# KiCad board Mainboard.kicad_pcb (continued)
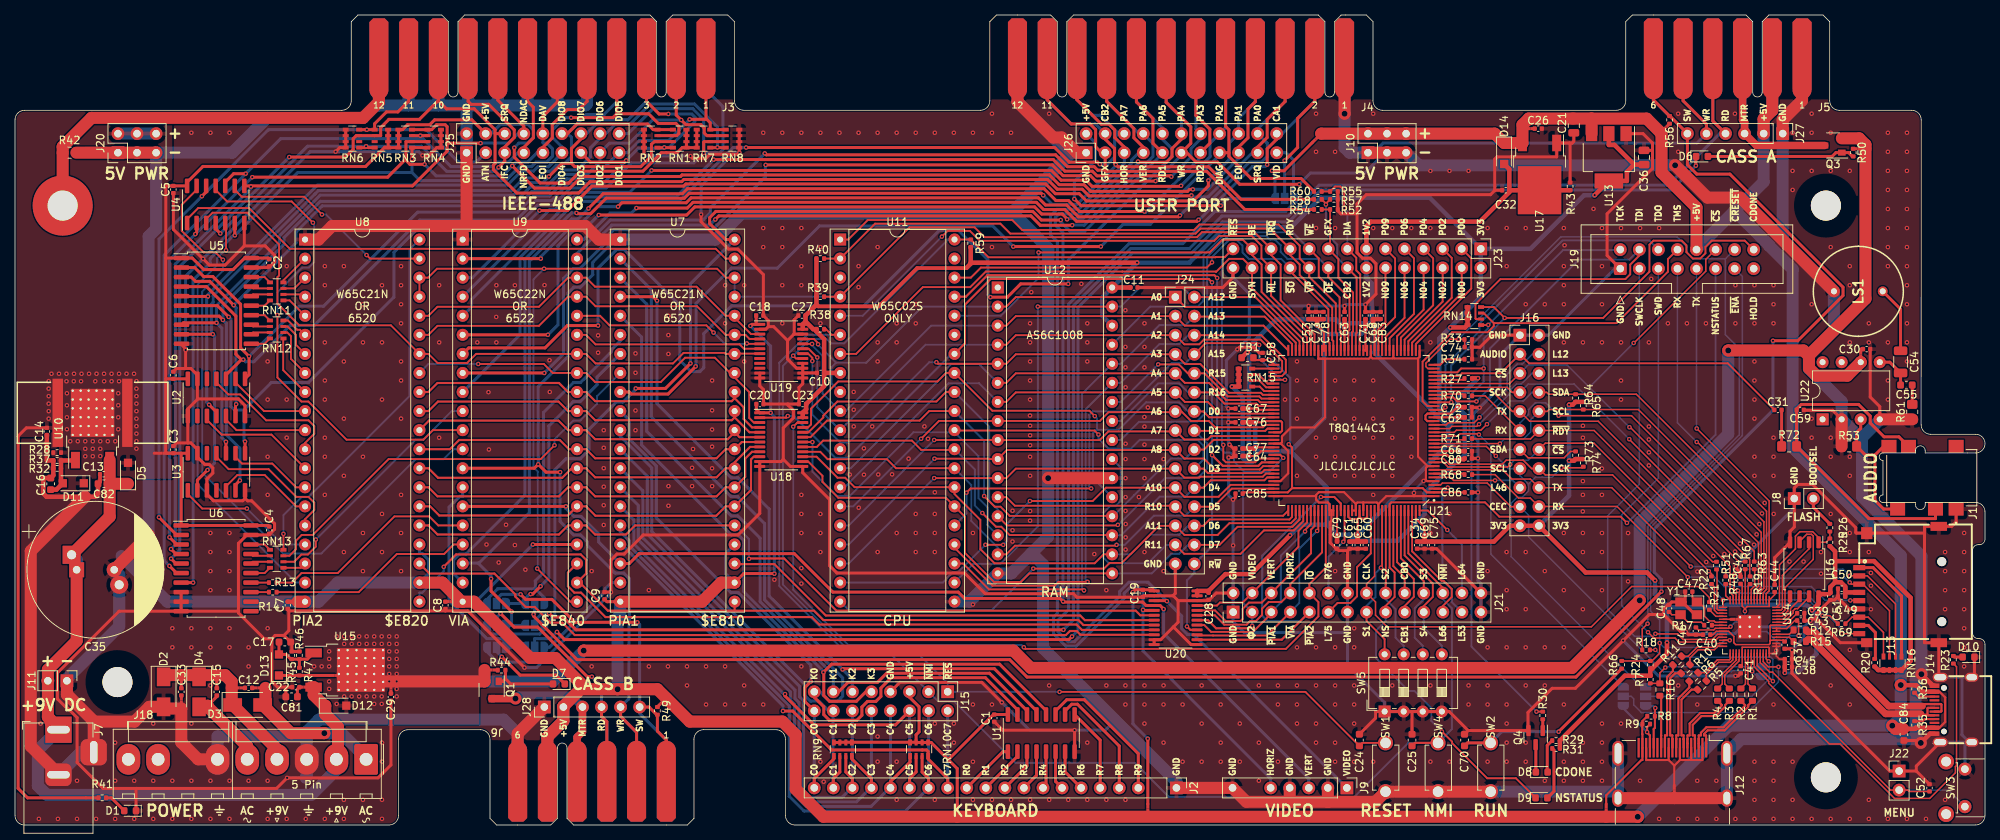
[diagram p0: board, top side]
## Nets (continued)
/MAGIC/MCU/DVI/DVI_D0-: R6.1 U14.29
/MAGIC/MCU/DVI/DVI_D1+: R3.1 U14.32
/MAGIC/MCU/DVI/DVI_D1-: R4.1 U14.31
/MAGIC/MCU/DVI/DVI_D2+: R1.1 U14.35
/MAGIC/MCU/DVI/DVI_D2-: R2.1 U14.34
/MAGIC/MCU/DVI/HDMI_CEC: J12.13 R16.2
/MAGIC/MCU/DVI/HDMI_CK+: J12.10 R10.2
/MAGIC/MCU/DVI/HDMI_CK-: J12.12 R11.2
/MAGIC/MCU/DVI/HDMI_D0+: J12.7 R5.2
/MAGIC/MCU/DVI/HDMI_D0-: J12.9 R6.2
/MAGIC/MCU/DVI/HDMI_D1+: J12.4 R3.2
/MAGIC/MCU/DVI/HDMI_D1-: J12.6 R4.2
/MAGIC/MCU/DVI/HDMI_D2+: J12.1 R1.2
/MAGIC/MCU/DVI/HDMI_D2-: J12.3 R2.2
/MAGIC/MCU/DVI/SCL: J12.15 JP9.3 R8.2
/MAGIC/MCU/DVI/SDA: J12.16 JP8.3 R9.2
/MAGIC/MCU/Flash/SCK: U14.52 U16.6
/MAGIC/MCU/Flash/SD0: U14.53 U16.5
/MAGIC/MCU/Flash/SD1: U14.55 U16.2
/MAGIC/MCU/Flash/SD2: U14.54 U16.3
/MAGIC/MCU/Flash/SD3: U14.51 U16.7
/MAGIC/MCU/Flash/~{CS}: R25.2 R26.2 U14.56 U16.1
/MAGIC/MCU/GP25: R23.1 U14.37
/MAGIC/MCU/GP27: C52.1 J22.2 SW3.2 U14.39
/MAGIC/MCU/MCU_FPGA_CLK: R21.2 U14.18
/MAGIC/MCU/MCU_I2C0_SCL: JP9.2 U14.41
/MAGIC/MCU/MCU_I2C0_SDA: JP8.2 U14.40
/MAGIC/MCU/MCU_SPI0_SCK: R19.2 U14.8
/MAGIC/MCU/MCU_SPI0_TX: R67.2 U14.9
/MAGIC/MCU/MCU_SPI0_~{CS}: R63.2 U14.7
/MAGIC/MCU/MCU_SPI1_SCK: R22.2 U14.17
/MAGIC/MCU/MCU_SPI1_TX: R48.2 U14.14
/MAGIC/MCU/MCU_SPI1_~{CS}: R51.2 U14.16
/MAGIC/MCU/MCU_TESTEN: PT2.2 U14.19
/MAGIC/MCU/MCU_USB_D+: R12.1 U14.47
/MAGIC/MCU/MCU_USB_D-: R15.1 U14.46
/MAGIC/MCU/MCU_~{CRESET}: R18.1 U14.38
/MAGIC/MCU/SD_DETECT: J13.9 U14.11
/MAGIC/MCU/SD_~{CS}: J13.2 RN16.2 U14.12
/MAGIC/MCU/USB/CC1: J14.A5 R35.2
/MAGIC/MCU/USB/CC2: J14.B5 R36.2
/MAGIC/MCU/USB/USB_D+: J14.A6 J14.B6 R12.2
/MAGIC/MCU/USB/USB_D-: J14.A7 J14.B7 R15.2
/MAGIC/MCU/XIN: C47.2 U14.20 Y1.1
/MAGIC/MCU/XOUT: R17.2 U14.21
/MAGIC/PHI2: J21.3 U11.37 U20.18 U21.97
/MAGIC/R~{W}: J24.30 U11.34 U18.2 U20.16 U21.99
/MAGIC/VERT: J21.6 U20.20 U21.116
/MAGIC/VIDEO: J21.4 U20.21 U21.114
/MAGIC/~{IO_OE}: J21.10 U18.22 U21.119
/MAGIC/~{PIA1_CS}: J21.5 U20.17 U21.115
/MAGIC/~{PIA2_CS}: J21.9 U20.14 U21.123
/MAGIC/~{VIA_CS}: J21.7 U20.15 U21.117
/POWER/VAC1: D3.2 J18.1 PT28.1
/POWER/VAC2: D4.2 J18.5 PT29.1
/USER/VIDEO_OR_5V: J4.2 JP10.2
CHASSIS_GND: H1.1 J3.12 R42.1
FPGA_VCCA: C58.1 C85.1 C86.1 FB1.1 U21.2 U21.73 U21.107
MCU_IOVDD: C38.1 C41.1 C42.1 C43.1 C44.1 C45.1 C46.1 PT1.2 U14.1 U14.10 U14.22 U14.33 U14.42 U14.43 U14.44 U14.48 U14.49
Net-(C8-Pad1): C8.1 PT56.2
Net-(C9-Pad1): C9.1 PT55.2
Net-(C12-Pad1): C12.1 PT28.2
Net-(C12-Pad2): C12.2 PT32.2
Net-(C15-Pad1): C15.1 PT30.2
Net-(C15-Pad2): C15.2 PT29.2
Net-(C16-Pad1): C16.1 D11.2 R28.2 R32.1 R37.1 U10.1
Net-(C17-Pad1): C17.1 D13.2 R45.1 R46.1 R47.2 U15.1
Net-(C18-Pad1): C18.1 C20.1 PT12.2 U18.1 U19.1
Net-(C19-Pad1): C19.1 PT13.2 U20.1
Net-(C22-Pad1): C22.1 C81.1 PT24.2
Net-(C26-Pad1): C26.1 PT14.2
Net-(C29-Pad1): C29.1 PT25.2
Net-(C30-Pad1): C30.1 PT35.2
Net-(C31-Pad2): C31.2 R72.1
Net-(C33-Pad1): C33.1 PT27.2
Net-(C33-Pad2): C33.2 PT31.2
Net-(C48-Pad2): C48.2 R17.1 Y1.3
Net-(C54-Pad1): C54.1 C55.1 U22.5
Net-(C54-Pad2): C54.2 LS1.1
Net-(C55-Pad2): C55.2 R61.1
Net-(C59-Pad1): C59.1 J1.2 J1.3 R72.2
Net-(C70-Pad1): C70.1 R66.1 SW2.2
Net-(D1-Pad2): D1.2 R41.2
Net-(D6-Pad1): D6.1 JP5.2
Net-(D6-Pad2): D6.2 Q3.1 R50.2
Net-(D7-Pad1): D7.1 JP6.2
Net-(D7-Pad2): D7.2 Q1.1 R44.2
Net-(D8-Pad1): D8.1 Q4.3
Net-(D8-Pad2): D8.2 R29.1
Net-(D9-Pad2): D9.2 R31.1
Net-(D10-Pad2): D10.2 R23.2
Net-(D13-Pad1): D13.1 PT23.2 R47.1
Net-(J1-Pad5): J1.5 J1.6 R53.1 U22.3
Net-(J8-Pad2): J8.2 R26.1
Net-(J13-Pad1): J13.1 RN16.1
Net-(J13-Pad7): J13.7 R69.1 RN16.4
Net-(J13-Pad8): J13.8 R20.2
Net-(PT4-Pad2): PT4.2 R41.1
Net-(PT6-Pad2): PT6.2 U7.24
Net-(PT7-Pad2): PT7.2 U9.24
Net-(PT8-Pad2): PT8.2 U8.24
Net-(PT15-Pad2): PT15.2 R56.1
Net-(PT16-Pad2): PT16.2 R49.1
Net-(PT21-Pad2): PT21.2 R50.1
Net-(PT22-Pad2): PT22.2 R44.1
Net-(Q4-Pad1): Q4.1 R30.1
Net-(R13-Pad1): R13.1 U6.14
Net-(R14-Pad1): R14.1 U6.13
Net-(RN11-Pad1): RN11.1 U5.18
Net-(RN11-Pad2): RN11.2 U5.17
Net-(RN11-Pad3): RN11.3 U5.16
Net-(RN11-Pad4): RN11.4 U5.15
Net-(RN12-Pad1): RN12.1 U5.14
Net-(RN12-Pad2): RN12.2 U5.13
Net-(RN12-Pad3): RN12.3 U5.12
Net-(RN12-Pad4): RN12.4 U5.11
Net-(RN13-Pad1): RN13.1 U6.18
Net-(RN13-Pad2): RN13.2 U6.17
Net-(RN13-Pad3): RN13.3 U6.16
Net-(RN13-Pad4): RN13.4 U6.15

Pads without a net: J1 4; J12 14 19; J14 A8 B8; J18 8 9; RN5 3; RN6 6; U2 2 12; U3 4 12; U6 11 12; U11 3 35 39; U12 1; U19 8 9 10; U22 1 7 8

## Via types
v1: diameter 0.6, hole 0.3, Top to Bottom, 1029 vias
v2: diameter 1.6, hole 0.8, Top to Bottom, 15 vias

## Routing (per net, layer and track width the routed paths; a pad name or vN(x,y) marks a point on that pad's centre or on a via; arc(x,y) is an arc through that point)
+1V2: length 131.5
  Top w0.6: C83.1 C68.1 180.95,66.76 PT43.1 ; C32.1 U17.2 R43.1 ; C32.1 199.12,87.4 D14.2 ; C32.1 199.12,84.34 195.19,80.41 180.68,80.41 180.07,79.81 J23.13 ; C67.1 163.59,55.5 PT45.1 ; C60.1 C65.1 ; C65.1 PT47.1 ; C65.1 C61.1 ; PT42.1 C62.1 ; PT46.1 C64.1 ; PT41.1 C66.1 ; FB1.2 164.14,62.97 v1(164.23,62.97) ; C63.1 PT44.1
  Bottom w0.6: 190.97,50.64 190.97,53.11 ; 190.97,50.64 190.85,50.64 PT47.1 ; 190.97,50.64 191.5,50.64 192.39,49.75 ; 190.97,53.11 PT42.1 ; 190.97,53.11 190.03,54.06 189.94,54.06 189,55 189,55.09 181.16,62.92 PT43.1 180.84,66.88 180.77,66.88 ; 180.77,66.88 180.77,72.2 180.07,72.89 J23.13 ; 180.77,66.88 177.8,66.88 PT44.1 176.02,67.38 168.05,67.38 164.23,63.56 v1(164.23,62.97) 164.44,62.76 PT45.1 164.39,55.45 164.39,49.24 PT46.1
+3V3: length 499.5
  Top w0.401: 104.96,66.13 U19.23 ; 104.96,54.34 U18.23 ; 157.51,30.6 U20.23
  Top w0.5: 126.81,74.27 126.76,74.22 120.2,74.22 115.1,69.12 107.02,69.12 106.9,69.23
  Top w0.561: C51.1 241.7,30.77 241.15,30.77
  Top w0.6: C77.1 165.11,50.17 PT52.1 ; RN15.5 RN15.6 RN15.7 RN15.8 v1(162.15,58.43) ; 215.76,88.01 214.78,87.04 214.78,85.84 U13.2 212.38,85.83 v1(210.49,83.94) ; 215.76,88.01 C36.1 ; 215.76,88.01 213.13,90.63 212.38,90.63 U13.2 ; 104.96,66.13 U19.24 105.34,67.1 ; C76.1 163.6,53.67 PT51.1 ; C80.1 193.07,48.75 PT40.1 ; C34.1 C69.1 ; C69.1 PT54.1 ; C69.1 C75.1 197.07,37.78 199.17,39.88 J16.21 J16.22 209.29,33.65 217.47,33.65 v1(218.54,32.58) ; 243.87,31 J13.4 ; 243.87,31 C49.1 ; 243.87,31 C50.1 243.87,31.78 243.3,32.35 242.52,32.35 ; v1(149.52,74.95) 149.5,74.93 127.35,74.93 ; v1(191.26,66.31) 193.23,66.31 RN14.8 RN14.7 RN14.6 RN14.5 ; C71.1 179.95,67.42 PT49.1 ; 242.52,32.35 241.88,31.71 C51.1 ; 242.52,32.35 242.52,35.17 ; 105.34,67.1 105.34,67.9 106.79,69.35 ; 105.34,67.1 106.37,66.07 R38.1 106.79,66.07 106.79,65.78 107.82,64.74 C10.1 ; 242.52,35.17 242.52,36.47 R25.1 ; 242.52,35.17 247.71,35.17 252.59,30.29 252.59,21.86 RN16.8 RN16.7 RN16.6 RN16.5 248.27,20.65 R20.1 ; 159.05,31.2 U20.24 157.51,30.6 ; 159.05,31.2 161.29,33.44 164.72,33.44 v1(169.89,38.62) ; 159.05,31.2 C28.1 ; C73.1 173.51,67.26 PT50.1 ; C73.1 C78.1 ; C73.1 C53.1 ; C10.1 U11.8 ; C10.1 107.82,58.5 C23.1 105.42,55.4 105.1,55.08 U18.24 104.96,54.34 ; v1(207.08,56.01) 207.57,56.01 R64.1 R65.1 ; R40.2 R39.1 106.79,70.4 106.79,69.35 ; 106.79,69.35 106.9,69.23 ; U12.32 148.62,71.63 C11.1 ; R27.2 194.2,59.55 v1(194.94,59.55) ; 127.35,74.93 127.35,77.01 R59.1 ; 127.35,74.93 127.35,74.81 126.81,74.27 ; C79.1 PT53.1 ; R31.2 R29.2 214.5,19.89 R7.1 R24.1 218.14,20.84 220.13,22.83 v1(220.13,24.32) ; R74.1 R73.1 207.73,48.55 v1(207.08,48.55) ; v1(239.44,28.62) 240.33,29.5 U16.8 240.63,30.77 241.15,30.77 ; C72.1 PT48.1
  Bottom w0.6: 169.96,49.79 174.82,44.94 174.82,40.02 ; 169.96,49.79 174.44,54.27 174.44,65.44 ; 169.96,49.79 165.27,49.79 ; PT48.1 193.18,54.7 193.18,51.25 193.19,51.24 193.19,49.35 192.59,48.75 PT40.1 187.83,44.21 187.83,41.46 186.45,40.08 ; PT48.1 192.19,56.8 v1(194.94,59.55) ; PT48.1 191.36,54.86 190.27,54.86 189.8,55.33 189.8,64.85 v1(191.26,66.31) 195.31,70.37 J23.1 ; 220.13,29.2 218.54,30.79 v1(218.54,32.58) ; 220.13,29.2 220.32,29.01 227.74,29.01 228.06,29.33 238.73,29.33 v1(239.44,28.62) 240.03,28.03 240.03,22.8 PT1.1 ; 220.13,29.2 v1(220.13,24.32) ; 174.44,65.44 179.37,65.44 PT49.1 ; 174.44,65.44 174.44,65.64 PT50.1 ; PT51.1 165.27,53.64 PT52.1 165.27,49.79 ; v1(169.89,38.62) 171.3,40.02 174.82,40.02 ; v1(207.08,56.01) v1(207.08,48.55) 207.08,43.89 J16.22 ; 186.45,40.08 PT54.1 ; 186.45,40.08 184.26,37.89 178.59,37.89 177.78,38.7 PT53.1 174.84,40.02 174.82,40.02 ; v1(210.49,83.94) 210.48,83.93 209.08,83.93 201.93,76.78 J23.1 ; J23.1 188.49,83.61 173.99,83.61 170.03,79.65 161.19,79.65 156.49,74.95 v1(149.52,74.95) 149.51,74.95 U12.32 144.88,70.32 144.88,67.86 U12.30 ; v1(162.15,58.43) 162.17,58.43 163.58,57.01 163.58,48.91 164.12,48.37 164.81,48.37 165.27,48.82 165.27,49.79
+5V: length 746.4
  Top w0.3: J14.A9_B4 256.43,17.76 257.2,17 257.2,13.73 256.43,12.96 J14.A4_B9
  Top w0.4: 22.14,49.55 C3.1 PT5.2 20.09,49.71 20.09,59.49 ; 22.14,49.55 U6.1 U6.20 33.72,39.92 C4.1 ; 22.14,49.55 U3.14 ; RN5.5 RN5.6 49.72,92.67 ; RN5.5 RN3.8 RN3.7 51.1,92.67 51.64,92.67 52.29,93.32 55.26,93.32 55.91,93.98 60.88,93.98 J25.4 ; RN5.5 49.32,90.27 49.27,90.32 46.72,87.77 25.04,87.77 22.93,85.66 22.93,85.17 U4.14 20.09,85.17 20.09,75.59 ; C2.1 33.72,75.56 U5.20 30.6,75.56 29.06,74.02 25.16,74.02 23.62,75.56 U5.1 20.12,75.56 20.09,75.59 ; RN1.5 RN7.8 RN7.7 90.84,92.67 ; RN1.5 RN1.6 89.47,92.67 ; RN1.5 88.91,90.27 88.23,89.6 86.81,89.6 86.81,89.59 86.13,89.59 83.67,87.14 75.36,87.14 73.77,85.56 69.98,85.56 66.53,89.01 v1(66.53,90.26) ; 20.09,59.49 20.12,59.46 C6.1 U2.14 ; 20.09,59.49 20.09,75.59 ; PT4.1 1.68,3.62 0.42,4.88 0.42,51.83 1.52,52.93 C14.1 ; PT19.2 R35.1
  Top w0.561: 37.66,29.76 36.35,29.76 C7.1
  Top w0.6: J14.A4_B9 253.28,12.96 R35.1 ; C84.1 PT19.2 ; PT20.1 251.28,18.64 R36.1 253.32,18.64 254.2,17.76 J14.A9_B4
  Top w0.902: 251.59,12.81 C84.1
  Top w1.6: U7.20 91.55,29.76 94.09,32.3 U7.22 PT12.1 ; v2(250.15,13.24) 250.57,12.81 PT19.1 251.59,12.81 ; 75.35,18.09 73.07,15.82 J28.2 73.07,13.87 70.94,11.74 J6.2,B ; 75.35,18.09 v2(80.3,18.09) 85.6,18.09 PT16.1 89.91,13.78 102.27,13.78 104.03,12.02 104.03,4.79 107.72,1.1 PT17.1 PT18.1 216.22,1.1 v2(216.23,1.09) ; 75.35,18.09 75.35,18.92 72.01,22.25 71.68,22.25 71.68,22.25 71.28,22.25 71.28,22.26 68.66,22.26 61.15,29.76 U9.20 PT56.1 58.97,30.28 56.95,32.3 U8.22 ; v2(251.28,18.65) 251.27,18.65 PT20.1 ; J5.2,B 234.16,95.26 233,94.1 J27.2 ; U8.20 37.66,29.76 ; 210.08,94.14 217.42,94.14 219.27,92.28 PT15.1 219.4,92.13 219.4,86.96 224.06,82.3 J19.10 ; 210.08,94.14 210.07,94.15 207.53,94.15 ; 210.08,94.14 U13.3 ; C21.1 201.7,94.15 200.87,93.31 U17.3 D14.1 197.18,92.14 J10.6 J10.4 J10.2 174.06,92.14 PT26.1
  Bottom w0.4: J25.4 63.45,92.14 64.71,93.4 68.31,93.4 69.08,92.62 69.08,91.65 68.32,90.89 67.15,90.89 v1(66.53,90.26)
  Bottom w1.6: J5.2,B 234.16,95.26 233,94.1 J27.2 233,85.71 229.14,81.85 ; 229.14,81.85 224.06,76.77 J19.10 ; 229.14,81.85 233.74,77.25 233.74,77.19 236.87,74.06 236.87,50.3 251.28,35.9 v2(251.28,18.65) 251.28,14.37 v2(250.15,13.24) 228.38,13.24 v2(216.23,1.09) ; 14.21,35.85 20.29,29.76 U8.20 40.45,29.76 42.99,32.3 U8.22 ; J28.2 73.07,13.87 70.94,11.74 J6.2,B ; J20.6 J20.4 J20.2 ; v2(80.3,18.09) 80.3,27.61 80.65,27.96 U7.20
  vias: v1(4.49,59.15) v1(4.49,58.15) v1(4.49,57.15) v1(4.49,56.15) v1(4.49,55.15) v1(4.49,54.15) v1(4.86,60.14) v1(5.86,60.14) v1(6.86,60.14) v1(6.86,59.14) v1(6.91,57.54) v1(6.91,55.94) v1(6.91,54.34) v1(6.91,52.74) v1(7.36,51.14) v1(7.83,59.14) v1(7.86,60.14) v1(8.36,51.14) v1(8.8,59.14) v1(8.86,60.14) v1(9.36,51.14) v1(9.36,50.14) v1(9.36,49.14) v1(9.86,60.14) v1(10.36,51.14) v1(10.36,50.14) v1(10.36,49.14) v1(10.7,59.14) v1(10.86,60.14) v1(11.36,51.14) v1(11.36,50.14) v1(11.36,49.16) v1(11.86,60.14) v1(11.88,59.14) v1(12.36,51.14) v1(12.86,60.14) v1(12.87,59.14) v1(13.36,51.14) v1(13.75,57.54) v1(13.75,55.94) v1(13.75,54.34) v1(13.75,52.74) v1(13.86,60.14) v1(13.86,59.14) v1(14.86,60.14) v1(15.86,60.14) v1(16.18,59.15) v1(16.18,58.15) v1(16.18,57.15) v1(16.18,56.15) v1(16.18,55.15) v1(16.18,54.15) v1(16.18,53.15) v1(16.18,52.15) v1(16.18,51.15) v1(16.18,50.15)
+6V: length 284.3
  Top w1.6: U22.6 245.94,61.67 244.14,59.88 240.04,59.88 239.05,60.87 239.05,62.5 ; PT22.1 62.56,19.14 Q1.2 47.61,19.14 U15.2 ; v2(75.78,23.24) 133.03,23.24 135.33,20.94 207.48,20.94 v2(216.49,29.94) ; 239.05,62.5 239.05,62.6 246.57,70.13 PT21.1 246.57,90.67 245.73,91.51 Q3.2 ; 239.05,62.5 238.31,63.24 v2(228.29,63.24)
  Bottom w1.6: v2(75.78,23.24) 71.67,19.14 v1(50.86,19.14) ; v2(216.49,29.94) 216.49,40.3 228.29,52.1 v2(228.29,63.24)
  vias: v1(39.86,21.14) v1(40.86,21.14) v1(41.86,23.14) v1(41.86,22.14) v1(41.86,21.14) v1(41.86,19.14) v1(41.86,18.14) v1(42.86,25.14) v1(42.86,16.14) v1(43.86,25.14) v1(43.86,24.14) v1(43.86,17.14) v1(44.86,25.14) v1(44.86,24.14) v1(44.86,17.14) v1(45.86,25.14) v1(45.86,24.14) v1(45.86,17.14) v1(46.86,25.14) v1(46.86,24.14) v1(46.86,17.14) v1(47.86,25.14) v1(47.86,24.14) v1(47.86,17.14) v1(47.86,16.14) v1(48.86,25.14) v1(48.86,24.14) v1(48.86,17.14) v1(48.86,16.14) v1(49.86,25.14) v1(49.86,24.14) v1(49.86,23.14) v1(49.86,22.14) v1(49.86,21.14) v1(49.86,20.14) v1(49.86,19.14) v1(50.86,25.14) v1(50.86,24.14) v1(50.86,23.14) v1(50.86,22.14) v1(50.86,21.14) v1(50.86,20.14) v1(50.86,18.14) v1(50.86,17.14)
+9V_Unreg: length 106
  Top w1.6: C35.1 12.62,41.09 U10.3 ; D5.1 12.61,45.47 ; C35.1 8.21,24.54 4.38,20.7 J11.2 4.38,14.39 4.72,14.05 4.72,13.77 J7.1 ; J18.2 43.03,8.96 43.03,13.05 41.34,14.74 D12.1 41.22,15.9 39.79,17.33 U15.3 PT24.1
  Bottom w1.6: C35.1 8.21,35.34 C35.1 ; J7.1 3.04,9.95 3.04,5.23 4.26,4.01 39.48,4.01 42.83,7.36 J18.2
/Keyboard/VCC: length 40.7
  Top w0.4: U1.16 C1.1 130.37,14.72 124.41,8.76 124.31,8.76 ; 111.51,11.03 110.71,11.03 ; 111.51,11.03 RN9.5 ; 111.51,11.03 119.27,11.03 ; 110.71,11.03 RN9.6 ; 110.71,11.03 109.91,11.03 RN9.7 RN9.8 ; J15.5 119.2,17.02 120.47,15.75 120.47,12.42 120.07,12.02 RN10.7 ; RN10.7 RN10.6 RN10.5 122.07,11 124.31,8.76 ; RN10.7 120.07,11.03 119.27,11.03 ; 124.31,8.76 125.55,7.52 PT17.2 ; 119.27,11.03 RN10.8
/MAGIC/FPGA/VCC_13: length 2.4
  Top w0.28: U21.13 PT41.2
/MAGIC/FPGA/VCC_22: length 2.2
  Top w0.28: U21.22 PT42.2
/MAGIC/FPGA/VCC_49: length 2.4
  Top w0.28: PT43.2 U21.49
/MAGIC/FPGA/VCC_57: length 2
  Top w0.28: U21.57 PT44.2
/MAGIC/FPGA/VCC_85: length 2.4
  Top w0.28: PT45.2 165.56,55.33 167.74,55.33
/MAGIC/FPGA/VCC_96: length 2.6
  Top w0.28: PT46.2 166.06,49.83 167.74,49.83
/MAGIC/FPGA/VCC_125: length 6.6
  Top w0.28: U21.128 179.16,41.05 179.17,41.04 ; PT47.2 178.91,40.79 ; 178.91,40.79 177.94,40.79 177.66,41.06 U21.125 ; 178.91,40.79 179.17,41.04 ; 179.17,41.04 179.38,40.83 179.95,40.83 180.16,41.05 U21.130
/MAGIC/FPGA/VCCIO_12: length 2.6
  Top w0.28: U21.12 190.83,49.33 191.41,48.75
/MAGIC/FPGA/VCCIO_23: length 5.5
  Top w0.28: PT48.2 191.33,54.83 U21.23 188.2,54.83 187.95,54.57 187.95,54.08 188.2,53.83 U21.21
/MAGIC/FPGA/VCCIO_52: length 2.3
  Top w0.28: U21.52 179.95,63.25 ; 179.95,63.25 PT49.2 ; 179.95,63.25 U21.51
/MAGIC/FPGA/VCCIO_62: length 3.2
  Top w0.28: 174.42,63.25 U21.63 ; 174.42,63.25 174.42,65.66 PT50.2 ; 174.42,63.25 U21.62
/MAGIC/FPGA/VCCIO_88: length 5.1
  Top w0.28: PT51.2 166.35,53.83 168.66,53.83 168.84,53.65 168.84,52.55 168.62,52.33 167.74,52.33
/MAGIC/FPGA/VCCIO_95: length 1.5
  Top w0.28: 167.74,50.33 PT52.2
/MAGIC/FPGA/VCCIO_122: length 2.3
  Top w0.28: U21.122 PT53.2
/MAGIC/FPGA/VCCIO_143: length 2.7
  Top w0.28: PT54.2 186.66,40.82 U21.143
/MAGIC/MCU/DVDD: length 18.1
  Top w0.2: C40.1 226.25,25.36 226.7,25.81 U14.23 228.34,25.81 229.04,25.12 229.04,24.29 229.29,24.04 233.73,24.04 233.87,24.18 233.87,24.54 ; 233.87,24.54 233.87,26.54 233.95,26.61 U14.50 235.86,26.61 C39.1 ; 233.87,24.54 233.87,24.54 233.94,24.61 U14.45 235.55,24.61 235.55,24.61 235.64,24.61 C37.1
/MAGIC/MCU/DVI/VCC: length 14.1
  Top w0.28: R8.1 216.85,13.85 R9.1 216.83,13.43 216.83,12.12 216.85,12.1 J12.18 216.85,8.66 216.73,8.66 212.02,3.96 PT18.2
/POWER/9V_UNFILT: length 22.6
  Top w1.6: D2.1 20.03,19.97 PT31.1 24.3,19.97 D4.1 24.75,19.97 PT30.1 27.99,19.97 28.88,19.09 PT32.1 28.88,16.12 D3.1 34.91,10.09 J18.4
/USER/VCC: length 48.7
  Top w0.4: v1(160.66,82.54) 142.06,82.54 141.17,83.42 v1(141.16,83.42) ; v1(167.49,87.19) 169.11,87.19 PT26.2
  Bottom w0.4: v1(167.49,87.19) 167.88,86.8 JP10.3 161.62,83.5 v1(160.66,82.54) ; J26.2 143.97,90.89 143.97,88.58 141.16,85.77 v1(141.16,83.42)
GND: length 2215.5
  Top w0.28: 167.74,45.83 168.61,45.83 169.65,46.86 169.65,49.84 168.66,50.83 ; 168.66,50.83 168.82,50.98 168.82,51.78 170.02,52.98 173.18,52.98 174.56,54.36 174.56,62.14 173.66,62.14 ; 168.66,50.83 167.74,50.83 ; 186.95,62.17 187.16,62.38 U21.37 ; 186.95,62.17 186.95,49.1 188.22,47.83 ; 186.95,62.17 183.8,62.17 183.66,62.31 ; v1(187.7,45.85) 187.84,45.99 188,45.99 ; 183.66,62.31 183.53,62.17 180.89,62.17 180.66,62.4 ; 183.66,62.31 U21.44 ; U21.64 173.66,62.14 ; 173.66,62.14 180.41,62.14 180.66,62.4 ; J12.11 220.35,8.66 ; 220.35,8.66 217.35,8.66 J12.17 ; 220.35,8.66 221.1,7.91 ; U21.126 U21.127 178.66,42.78 ; 179.66,42.99 181.44,42.99 181.66,42.77 ; 179.66,42.99 U21.129 ; 179.66,42.99 178.87,42.99 178.66,42.78 ; U21.9 188.22,47.83 ; 188.22,47.83 188,47.61 188,45.99 ; 186.41,43.83 182.72,43.83 181.66,42.77 ; 186.41,43.83 v1(186.41,44.25) ; 186.41,43.83 U21.1 ; 223.35,8.66 224.85,8.66 J12.2 ; 223.35,8.66 J12.5 ; 223.35,8.66 221.85,8.66 ; J12.8 221.85,8.66 ; 221.85,8.66 221.1,7.91 ; 181.66,42.77 U21.133 ; 175.25,40.38 175.41,40.54 175.41,41.91 ; 180.66,62.4 U21.50 ; 188,45.99 188.16,45.83 U21.5 ; C34.2 C69.2 C75.2 ; 173.37,43.83 173.37,43.35 173.73,42.99 174.94,42.99 175.16,42.77 U21.120 175.41,41.91 ; 173.37,43.83 173.37,43.98 173.75,44.36 177.09,44.36 178.66,42.78 ; 173.37,43.83 167.74,43.83 ; 175.41,41.91 U21.121 ; PT37.2 221.1,7.91
  Top w0.4: 36.48,28.53 36.48,28.67 C7.2 ; 36.48,28.53 57.35,28.53 ; 36.48,28.53 36.48,25.91 35.84,25.27 ; v1(161.68,55.51) 162.62,55.51 C67.2 ; 162.3,74.24 162.3,72.99 160.93,71.63 C11.2 ; C63.2 v1(177.16,69.17) ; 162.43,50.17 162.43,49.17 ; 162.43,50.17 162.35,50.17 v1(161.84,50.69) ; 162.43,50.17 C77.2 ; 162.43,49.17 C64.2 ; 162.43,49.17 162.23,48.98 v1(161.72,48.98) ; U5.19 33.72,74.29 C2.2 33.99,74.45 34.59,75.04 34.59,75.93 33.34,77.17 30.55,77.17 ; U13.1 216.93,92.14 218.2,90.87 218.2,89.91 ; 57.35,28.53 60.32,28.53 v1(67.88,20.98) ; 57.35,28.53 C8.2 ; 102.37,48.74 102.37,52.91 103.73,54.27 103.73,55.23 103,55.96 103,56.1 ; 102.37,48.74 102.07,48.44 U18.11 U18.12 99.24,41.53 96.36,38.65 83.72,38.65 81.18,36.11 80.21,36.11 79.41,35.31 v1(79.41,31.04) C9.2 ; 102.37,48.74 103.32,47.79 U18.13 104.96,46.96 108.54,43.38 108.54,34.56 109.52,33.58 126.53,33.58 129.28,30.83 141.02,30.83 141.5,30.35 150.23,30.35 150.33,30.45 ; U19.15 104.16,60.87 102.94,62.09 102.94,64.56 ; U19.15 104.96,60.25 ; U19.15 U19.16 ; C70.2 193.15,12.09 193.64,12.59 ; U14.57 230.05,27.69 PT2.1 ; 154.98,29.9 154.98,27.03 154.36,26.4 ; 154.98,29.9 154.31,30.57 ; 154.98,29.9 U20.22 158.93,29.9 158.99,29.96 C28.2 159.16,30.02 160.06,30.91 J21.2 ; C75.2 189.43,36.82 J21.28 ; C29.2 50.09,8 48.37,6.28 v1(36.26,6.28) 34.85,4.87 16.13,4.87 ; 34.22,24.82 33.22,24.82 29.77,28.26 29.77,28.49 ; 34.22,24.82 34.66,25.27 35.84,25.27 ; 34.22,24.82 34.22,19.14 34.98,18.37 36.06,18.37 ; U19.22 103.82,65.42 ; 103.82,65.42 103.8,65.42 102.94,64.56 ; 103.82,65.42 103.82,67.34 C27.2 ; 218.2,89.91 218.2,87.5 212.15,81.45 212.15,75.9 J19.1 ; 218.2,89.91 C36.2 ; 35.84,25.27 C17.2 36.88,24.23 R45.2 R46.2 ; U14.57 231.78,26.41 ; 231.78,26.41 U14.57 230.78,26.41 230.32,26.87 ; 231.78,26.41 231.78,25.14 ; 56.76,92.67 RN4.2 RN4.1 56.2,90.27 55.16,89.23 v1(54.3,89.23) ; 194.16,63.66 R34.1 ; 194.16,63.66 195.19,63.66 196.8,65.28 J16.1 ; 194.16,63.66 C74.2 194.13,64.67 R33.2 ; C24.2 181.3,14.25 181.3,15.12 SW5.1 SW5.2 186.15,15.12 ; 230.32,26.87 PT2.1 ; 230.32,26.87 U14.57 ; PT2.1 230.87,27.41 U14.57 U14.57 ; v1(194.94,48.85) C80.2 C66.2 ; 103,56.1 C23.2 104.46,58.3 104.96,58.81 U19.14 104.96,60.25 ; 103,56.1 C20.2 99.74,58.02 99.24,58.52 U19.11 ; 177.56,36.56 177.57,36.56 C61.2 C65.2 C60.2 ; 177.56,36.56 J21.14 ; 177.56,36.56 176.42,36.56 C79.2 176.05,36.82 175.25,37.62 PT39.1 ; 30.67,43.53 30.99,43.2 31.54,43.2 34.59,40.15 34.59,39.4 33.99,38.81 C4.2 33.72,38.65 U6.19 30.89,38.65 29.77,37.53 29.77,28.49 ; 30.67,43.53 30.35,43.21 26.44,43.21 25.57,44.08 25.57,44.6 ; 30.67,43.53 30.67,44.58 U3.7 ; PT36.2 247.21,57.03 C30.2 ; 154.31,30.57 154.61,30.86 154.61,33.54 154.61,33.54 J24.29 ; 154.31,30.57 154.3,30.55 U20.2 150.43,30.55 150.33,30.45 ; U14.57 231.78,25.14 ; 231.78,25.14 U14.57 ; 222.55,29.72 Y1.2 220.77,29.72 C48.1 220.27,29.35 219.66,28.74 219.66,28.06 ; 222.55,29.72 C47.1 ; 222.55,29.72 222.55,29.35 223.88,28.02 Y1.4 ; v1(161.68,53.67) 162.62,53.67 C76.2 ; C1.2 131.61,12.64 v1(141.19,12.64) 141.19,9.97 141.19,9.97 ; 83.81,92.67 RN2.3 RN2.4 83.81,89.27 v1(83.7,89.16) ; C62.2 194.13,55.55 194.2,55.62 ; 104.96,60.25 C10.2 ; U2.7 30.65,55.89 29.76,56.78 24.36,56.78 ; J13.6 244.37,28.8 242.82,30.35 ; C40.2 224.93,25.37 C46.2 223,25.37 v1(222.62,25.75) 221.96,25.75 221.96,25.75 219.66,28.06 ; 25.57,44.6 25.57,46.11 26.36,46.9 26.36,47.59 25.91,48.04 25.29,48.04 24.3,49.03 U3.13 24.3,50.05 23.43,50.92 23.03,50.92 ; 25.57,44.6 U3.3 ; 178.82,81.45 178.83,81.45 178.83,82.77 180.06,84.01 196.61,84.01 197.17,84.56 ; 178.82,81.45 178.82,81.45 176.67,81.45 176.26,81.86 R52.2 R57.2 R55.2 ; 178.82,81.45 178.82,76.27 179.56,75.53 180.62,75.53 181.35,74.81 181.35,70.76 v1(179.94,69.36) 179.94,68.39 C71.2 180.95,68.38 C68.2 C83.2 ; 193.64,12.59 201.6,12.59 ; 193.64,12.59 191.11,15.12 SW5.4 SW5.3 186.15,15.12 ; C50.2 C49.2 242.82,30.35 ; R43.2 207.22,90.82 207.15,90.89 ; U5.10 22.19,64.01 22.67,63.53 22.67,63.38 22.71,63.34 22.71,63.32 v1(22.73,63.3) 22.73,60.84 ; C81.2 36.08,18.35 36.06,18.37 ; PT11.2 255.17,12.16 J14.A1_B12 ; v1(172.37,69.17) 172.35,69.15 C53.2 C73.2 C78.2 ; v2(253.95,10.94) 253.62,11.26 251.7,11.26 ; 197.17,84.56 197.2,84.59 C32.2 ; 197.17,84.56 197.17,88.73 197.48,89.04 199.38,89.04 199.38,89.04 205.43,89.04 U17.1 207.15,90.89 ; 22.73,60.84 21.52,60.84 C6.2 ; 22.73,60.84 23.44,60.84 24.3,59.97 U2.13 24.3,56.84 24.36,56.78 ; U6.10 13.87,28.49 5.65,20.27 5.65,16.81 6.69,15.77 6.82,15.77 8.28,14.31 8.28,8.33 11.74,4.87 16.13,4.87 ; U6.10 U6.9 U6.8 ; U6.10 29.77,28.49 ; J14.S1 260.91,19.87 261.1,20.05 261.1,22.1 D10.1 ; J15.7 117.91,19.01 128.82,19.01 v1(131.49,16.34) ; v1(162.3,43.37) 162.63,43.7 C85.2 ; 30.55,77.17 28,74.63 25.89,74.63 v1(25.06,75.46) 25.03,75.46 21.1,79.39 C5.2 ; 30.55,77.17 U4.7 ; 96.5,92.67 RN8.2 RN8.1 96.5,89.62 v1(96.53,89.59) 96.33,89.39 92.6,89.39 92.06,88.85 90.31,88.85 v1(90.01,89.15) ; 240.05,27.47 243.22,24.3 J13.10 ; 240.05,27.47 239.47,27.47 v1(239.23,27.22) 238.46,27.22 C43.2 C39.2 ; 240.05,27.47 240.05,28.16 C51.2 242.46,29.99 242.82,30.35 ; 186.15,15.12 C25.2 ; C42.2 229.93,33.45 229.82,33.57 229.82,33.73 229.41,34.14 229.41,34.39 v1(229.31,34.48) ; 194.2,55.62 v1(195.15,55.62) ; 194.2,55.62 C72.2 ; C19.2 150.33,30.45 ; C44.2 234.47,35.63 U16.4 236.52,39.14 237.1,39.72 237.1,43.5 J8.1 237.09,44.92 237.56,45.39 239.52,45.39 245.28,39.63 245.28,38.98 245.36,38.9 J13.13 254.41,38.9 254.44,38.93 ; v1(229.25,19.87) 229.6,19.87 C41.2 ; 207.15,90.89 207.5,90.89 207.5,90.89 207.71,91.1 C21.2 ; 24.36,56.78 23.03,55.45 U2.1 23.03,50.92 ; 36.06,18.37 C22.2 ; 16.13,4.87 16.13,1.9 D1.1 ; 100.38,66.42 100.04,66.07 U19.2 ; 100.38,66.42 100.38,67.24 C18.2 99.72,73.36 96.32,76.75 95.06,76.75 91.42,80.4 v1(91.42,81.36) ; 100.38,66.42 101.09,66.42 102.94,64.56 ; 201.6,12.59 201.6,15 204.82,18.21 207.92,18.21 v1(214.29,24.58) 217.76,28.06 219.66,28.06 ; 201.6,12.59 Q4.2 ; U20.13 156.71,24.05 154.36,26.4 ; 154.36,26.4 152.65,24.7 U20.11 U20.12 ; 23.03,50.92 21.52,50.92 21.1,50.51 C3.2 ; J14.S1 256.34,19.88 J13.11 254.44,24.3 254.44,38.93 ; C37.2 236.62,23.49 v1(236.78,23.33) 236.78,23.33 C45.2 C38.2 236.78,20.22 249.81,7.19 J22.1 253.34,7.19 ; 253.34,7.19 253.34,7.85 J14.S1 ; 253.34,7.19 C52.2 ; 254.44,38.93 254.44,39.77 254.47,39.8 258.06,39.8 258.65,40.4 J1.1 ; v1(194.94,44.33) C86.2 ; 166.24,62.92 165.8,62.92 165.05,63.67 163.16,63.67 v1(162.88,63.39) ; C59.2 238.42,55.26 PT38.2 ; 44.06,92.67 RN6.3 RN6.4 43.26,90.27 v1(42.72,89.74)
  Top w0.5: C82.2 11.33,45.74 C13.2
  Top w0.6: 255.56,18.56 PT10.2 ; 255.56,18.56 J14.A12_B1 ; 255.56,18.56 v2(254.03,20.1) ; J14.A1_B12 255.17,12.16 PT11.1 ; C82.2 11.06,44.17 10.64,43.74 4.2,43.74 3.78,44.17 3.78,46.24 C16.2 5.11,46.6 R32.2 R37.2 4.27,48.58 4.25,48.6 C14.2
  Top w1.6: 169.85,3.09 169.85,3.09 164.09,3.09 J9.7 J2.1 ; 169.85,3.09 169.86,3.09 174.93,3.09 ; 169.85,3.09 J9.4 ; 174.93,3.09 174.94,3.09 181.27,3.09 SW1.1 SW4.1 SW2.1 ; 174.93,3.09 J9.2 ; J12.SH PT37.1 221.1,3.58 228.1,3.58 J12.SH ; J25.1 60.17,87.75 60.18,79.84 ; R42.2 J20.1 J20.3 J20.5 ; 9.33,43.74 2.1,36.51 2.1,10.5 5.79,6.81 J7.2 ; 10.49,13.78 10.49,13.84 6.97,17.37 6.92,17.37 J11.1 ; 10.49,13.78 15.93,13.78 17.9,15.75 D2.2 20.03,15.52 PT27.1 22.16,10.99 24.4,8.75 J18.6 ; 10.49,13.78 J7.3 ; 59.65,79.83 60.16,79.83 60.18,79.84 ; 59.65,79.83 U9.1 ; 59.65,79.83 42.25,79.83 40.45,78.02 U8.1 ; v2(17.81,38.68) 17.81,38.61 C35.2 ; J6.1,A 66.98,12.17 J28.1 ; U7.1 77.81,78.02 75.99,79.84 60.18,79.84 ; J4.12 133.58,96.38 138.33,91.63 139.46,91.63 141.49,89.6 J26.1 ; R61.2 PT36.1 ; v2(221.21,87.92) 225.51,83.61 229.88,83.61 LS1.2 ; J10.5 J10.3 J10.1 ; U12.22 v2(137.67,46.23) ; U22.2 R53.2 ; J27.1 235.54,93.99 238.12,96.57 J5.1,A ; J4.1 v2(177.16,94.8)